# KiCad board fmc_usb_gpio_spi_jtag.kicad_pcb (continued)
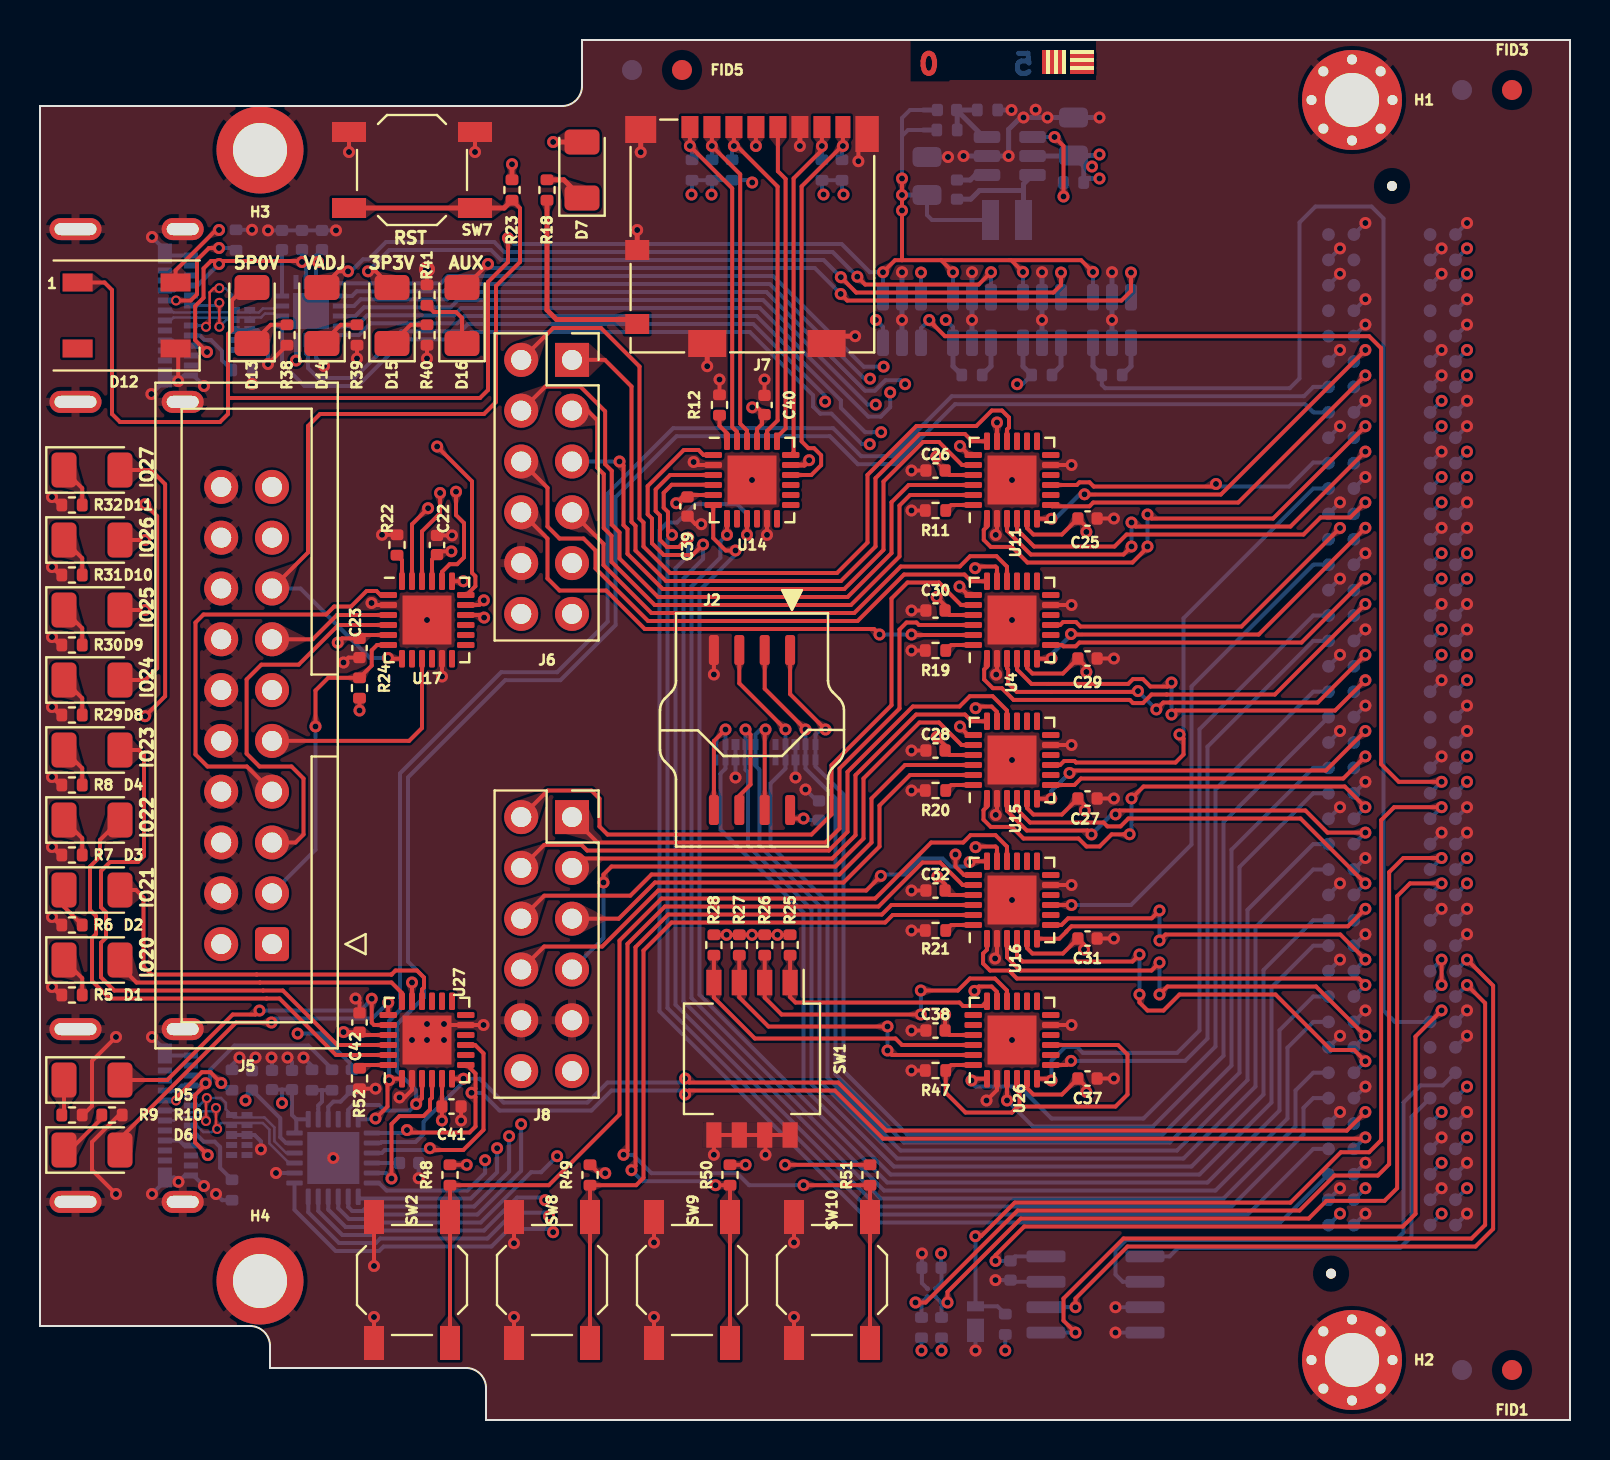
[diagram p0: board, top side]
## Nets
GND: C1.2 C2.2 C3.2 C4.2 C5.2 C6.2 C7.2 C8.2 C9.2 C22.2 C23.2 C24.2 C25.2 C26.2 C27.2 C28.2 C29.2 C30.2 C31.2 C32.2 C35.2 C36.2 C37.2 C38.2 C39.2 C40.2 C41.2 C42.2 D12.3 H1.1 H2.1 H3.1 H4.1 J1.C1 J1.C4 J1.C5 J1.C8 J1.C9 J1.C12 J1.C13 J1.C16 J1.C17 J1.C20 J1.C21 J1.C24 J1.C25 J1.C28 J1.C29 J1.C32 J1.C33 J1.C36 J1.C38 J1.C40 J1.D2 J1.D3 J1.D6 J1.D7 J1.D10 J1.D13 J1.D16 J1.D19 J1.D22 J1.D25 J1.D28 J1.D37 J1.D39 J1.G1 J1.G4 J1.G5 J1.G8 J1.G11 J1.G14 J1.G17 J1.G20 J1.G23 J1.G26 J1.G29 J1.G32 J1.G35 J1.G38 J1.G40 J1.H2 J1.H3 J1.H6 J1.H9 J1.H12 J1.H15 J1.H18 J1.H21 J1.H24 J1.H27 J1.H30 J1.H33 J1.H36 J1.H39 J2.4 J3.A1 J3.A12 J3.B1 J3.B12 J3.S1 J4.A1 J4.A12 J4.B1 J4.B12 J4.S1 J5.4 J5.6 J5.8 J5.10 J5.12 J5.14 J5.16 J5.18 J5.20 J6.9 J6.10 J7.6 J7.9 J7.11 J8.9 J8.10 R1.1 R2.1 R3.1 R4.1 R5.2 R6.2 R7.2 R8.2 R9.2 R10.2 R11.1 R12.1 R19.1 R20.1 R21.1 R22.1 R29.2 R30.2 R31.2 R32.2 R34.1 R37.1 R38.2 R39.2 R40.2 R41.2 R47.1 R52.1 SW1.5 SW1.6 SW1.7 SW1.8 SW2.1 SW7.1 SW8.1 SW9.1 SW10.1 U1.3 U1.4 U1.7 U2.6 U3.2 U3.25 U4.2 U4.11 U4.25 U5.2 U11.2 U11.11 U11.25 U12.3 U12.8 U13.2 U14.2 U14.11 U14.25 U15.2 U15.11 U15.25 U16.2 U16.11 U16.25 U17.2 U17.11 U17.25 U18.3 U18.8 U19.3 U19.8 U20.3 U20.8 U21.2 U21.5 U22.2 U22.5 U23.2 U23.5 U24.2 U24.5 U25.A1 U26.2 U26.11 U26.25 U27.2 U27.11 U27.25
3P3V: C6.1 C8.1 C23.1 C26.1 C28.1 C30.1 C32.1 C38.1 C40.1 C42.1 D7.2 J1.C39 J1.D36 J1.D38 J1.D40 J5.1 J6.11 J6.12 J7.4 J8.11 J8.12 R13.2 R14.2 R15.2 R16.2 R17.2 R23.1 R24.1 R25.2 R26.2 R27.2 R28.2 R44.1 R48.2 R49.2 R50.2 R51.2 U3.6 U3.7 U4.17 U4.21 U11.17 U11.21 U14.17 U14.21 U15.17 U15.21 U16.17 U16.21 U17.5 U23.6 U26.17 U26.21 U27.17 U27.21
3P3VAUX: C1.1 J1.D32 R46.1 U1.8 U24.6
5P0V: C34.2 C35.1 D12.1 D13.2 L1.2 R33.2 U21.1 U22.1 U23.1 U24.1
12P0V: C24.1 J1.C35 J1.C37 R54.1 U13.5
/FMC/GA0: J1.C34 U1.2
/FMC/GA1: J1.D35 U1.1
/FMC/GPIO0: J1.G6 U11.6
/FMC/GPIO1: J1.G7 U11.7
/FMC/GPIO2: J1.G9 U11.1
/FMC/GPIO3: J1.G10 U11.3
/FMC/GPIO4: J1.G12 U11.4
/FMC/GPIO5: J1.G13 U4.6
/FMC/GPIO6: J1.G15 U4.7
/FMC/GPIO7: J1.G16 U4.1
/FMC/GPIO8: J1.G18 U4.3
/FMC/GPIO9: J1.G19 U4.4
/FMC/GPIO10: J1.G21 U15.6
/FMC/GPIO11: J1.G22 U15.7
/FMC/GPIO12: J1.G24 U15.1
/FMC/GPIO13: J1.G25 U15.3
/FMC/GPIO14: J1.G27 U15.4
/FMC/GPIO15: J1.G28 U16.6
/FMC/GPIO16: J1.G30 U16.7
/FMC/GPIO17: J1.G31 U16.1
/FMC/GPIO18: J1.G33 U16.3
/FMC/GPIO19: J1.G34 U16.4
/FMC/GPIO20: J1.G36 U3.14 U27.6
/FMC/GPIO21: J1.G37 U3.13 U27.7
/FMC/GPIO22: J1.H7 U3.12 U27.1
/FMC/GPIO23: J1.H8 U3.11 U27.3
/FMC/GPIO24: J1.H10 U11.9
/FMC/GPIO25: J1.H11 U15.9
/FMC/GPIO26: J1.H13 U4.9
/FMC/GPIO27: J1.H14 U16.9
/FMC/GPIO28: J1.H16 U26.6
/FMC/GPIO29: J1.H17 U26.7
/FMC/GPIO30: J1.H19 U26.1
/FMC/GPIO31: J1.H20 U26.3
/FMC/GX0011: J1.D24 R53.1 U5.1
/FMC/I3C.SCL: J1.D26 R42.2 U25.A2
/FMC/I3C.SDA: J1.D27 R43.2 U25.B2
/FMC/JTAG.TCK: J1.C11 U17.19
/FMC/JTAG.TDI: J1.C10 U17.20
/FMC/JTAG.TDO: J1.C7 U17.22
/FMC/JTAG.TMS: J1.C6 U17.23
/FMC/JTAG.~{SRST}: J1.C3 U17.16
/FMC/JTAG.~{TRST}: J1.C2 U17.18
/FMC/SCL: J1.C30 U1.6
/FMC/SDA: J1.C31 U1.5
/FMC/SDIO.CLK: J1.H38 U14.9
/FMC/SDIO.CMD: J1.H37 U14.4
/FMC/SDIO.DAT0: J1.H31 U14.6
/FMC/SDIO.DAT1: J1.H32 U14.7
/FMC/SDIO.DAT2: J1.H34 U14.1
/FMC/SDIO.DAT3: J1.H35 U14.3
/FMC/SPI_FLASH.CLK: J1.H28 J2.6 U20.2 U20.9
/FMC/SPI_FLASH.DI: J1.H29 J2.5 U20.4 U20.7
/FMC/SPI_FLASH.DO: J1.H23 J2.2 U19.2 U19.9
/FMC/SPI_FLASH.~{CS}: J1.H22 J2.1 U19.1 U19.10
/FMC/SPI_FLASH.~{HOLD}: J1.H26 J2.7 U20.1 U20.10
/FMC/SPI_FLASH.~{WP}: J1.H25 J2.3 U19.4 U19.7
/FMC/UART.RXD: J1.D9 U3.20
/FMC/UART.TXD: J1.D8 U3.21
/FMC/UART.~{CTS}: J1.D12 U3.18
/FMC/UART.~{DCD}: J1.D17 U3.24
/FMC/UART.~{DSR}: J1.D14 U3.22
/FMC/UART.~{DTR}: J1.D15 U3.23
/FMC/UART.~{RI}: J1.D18 U3.1
/FMC/UART.~{RTS}: J1.D11 U3.19
/FMC/USB_FS.CON: J1.C15 U2.5
/FMC/USB_FS.DET: J1.C14 U2.16
/FMC/USB_FS.RCV: J1.C19 U2.2
/FMC/USB_FS.SPD: J1.C26 U2.1
/FMC/USB_FS.SUS: J1.C27 U2.7
/FMC/USB_FS.VM: J1.C23 U2.4
/FMC/USB_FS.VP: J1.C22 U2.3
/FMC/USB_FS.~{OE}: J1.C18 U2.9
/FMC/WS2812: J1.D23 U21.4
/GPIO/HVGPIO0: J6.1 U11.18
/GPIO/HVGPIO1: J6.2 U11.16
/GPIO/HVGPIO2: J6.3 U11.23
/GPIO/HVGPIO3: J6.4 U11.22
/GPIO/HVGPIO4: J6.5 U11.20
/GPIO/HVGPIO5: J6.6 U4.18
/GPIO/HVGPIO6: J6.7 U4.16
/GPIO/HVGPIO7: J6.8 U4.23
/GPIO/HVGPIO8: J8.1 U4.22
/GPIO/HVGPIO9: J8.2 U4.20
/GPIO/HVGPIO10: J8.3 U15.18
/GPIO/HVGPIO11: J8.4 U15.16
/GPIO/HVGPIO12: J8.5 U15.23
/GPIO/HVGPIO13: J8.6 U15.22
/GPIO/HVGPIO14: J8.7 U15.20
/GPIO/HVGPIO15: J8.8 U16.18
/GPIO/HVGPIO16: R48.1 SW2.2 U16.16
/GPIO/HVGPIO17: R49.1 SW8.2 U16.23
/GPIO/HVGPIO18: R50.1 SW9.2 U16.22
/GPIO/HVGPIO19: R51.1 SW10.2 U16.20
/GPIO/HVGPIO24: D8.2 U11.19
/GPIO/HVGPIO25: D9.2 U15.19
/GPIO/HVGPIO26: D10.2 U4.19
/GPIO/HVGPIO27: D11.2 U16.19
/GPIO/HVGPIO28: R25.1 SW1.1 U26.18
/GPIO/HVGPIO29: R26.1 SW1.2 U26.16
/GPIO/HVGPIO30: R27.1 SW1.3 U26.23
/GPIO/HVGPIO31: R28.1 SW1.4 U26.22
/JTAG/TCK: J5.9 U17.9
/JTAG/TDI: J5.5 U17.4
/JTAG/TDO: J5.13 U17.3
/JTAG/TMS: J5.7 U17.1
/JTAG/~{SRST}: J5.15 R23.2 SW7.2 U17.7
/JTAG/~{TRST}: J5.3 R24.2 U17.6
/SDIO/SD_CLK: J7.5 U14.19
/SDIO/SD_CMD: J7.3 R17.1 U14.20
/SDIO/SD_DAT0: J7.7 R13.1 U14.18
/SDIO/SD_DAT1: J7.8 R14.1 U14.16
/SDIO/SD_DAT2: J7.1 R15.1 U14.23
/SDIO/SD_DAT3: J7.2 R16.1 U14.22
/UART/D+: J4.A6 J4.B6 U3.3 U12.4 U12.7
/UART/D-: J4.A7 J4.B7 U3.4 U12.5 U12.6
/UART/HVGPIO20: D1.2 U27.18
/UART/HVGPIO21: D2.2 U27.16
/UART/HVGPIO22: D3.2 U27.23
/UART/HVGPIO23: D4.2 U27.22
/UART/SUSP: U3.17 U27.4
/UART/~{SUSP}: U3.15 U27.9
/USB/D+: J3.A6 J3.B6 U2.11 U18.5 U18.6
/USB/D-: J3.A7 J3.B7 U2.10 U18.4 U18.7
/USB/USB_VBUS: C4.1 J3.A4 J3.A9 J3.B4 J3.B9 U2.14
VADJ: C2.1 C5.1 C7.1 C22.1 C25.1 C27.1 C29.1 C31.1 C36.1 C37.1 C39.1 C41.1 J1.G39 J1.H40 J2.8 R35.2 R42.1 R43.1 R45.1 R53.2 U2.8 U2.15 U3.5 U4.5 U11.5 U14.5 U15.5 U16.5 U17.17 U17.21 U21.6 U22.6 U25.B1 U26.5 U27.5
Net-(D1-K): D1.1 R5.1
Net-(D2-K): D2.1 R6.1
Net-(D3-K): D3.1 R7.1
Net-(D4-K): D4.1 R8.1
Net-(D5-A): D5.2 U27.20
Net-(D5-K): D5.1 R9.1
Net-(D6-A): D6.2 U27.19
Net-(D6-K): D6.1 R10.1
Net-(D7-K): D7.1 R18.2
Net-(D8-K): D8.1 R29.1
Net-(D9-K): D9.1 R30.1
Net-(D10-K): D10.1 R31.1
Net-(D11-K): D11.1 R32.1
Net-(D12-DIN): D12.4 U21.3
Net-(D13-K): D13.1 R38.1
Net-(D14-A): D14.2 U22.3
Net-(D14-K): D14.1 R39.1
Net-(D15-A): D15.2 U23.3
Net-(D15-K): D15.1 R40.1
Net-(D16-A): D16.2 U24.3
Net-(D16-K): D16.1 R41.1
Net-(J1B-d30): J1.D30 J1.D31
Net-(J3-CC1): J3.A5 R1.2
Net-(J3-CC2): J3.B5 R2.2
Net-(J4-CC1): J4.A5 R3.2
Net-(J4-CC2): J4.B5 R4.2
Net-(J4-VBUS-PadA4): J4.A4 J4.A9 J4.B4 J4.B9 R36.2
Net-(J7-DET_A): J7.10 R18.1
Net-(U2-VTRM): C3.1 U2.12
Net-(U3-VBUS): R36.1 R37.2 U3.8
Net-(U3-VPP): C9.1 U3.16
Net-(U3-~{RST}): R35.1 U3.9
Net-(U4-SEL): R19.2 U4.24
Net-(U11-SEL): R11.2 U11.24
Net-(U13-BST): C33.2 U13.1
Net-(U13-EN): R54.2 U13.4
Net-(U13-FB): C34.1 R33.1 R34.2 U13.3
Net-(U13-SW): C33.1 L1.1 U13.6
Net-(U14-SEL): R12.2 U14.24
Net-(U15-SEL): R20.2 U15.24
Net-(U16-SEL): R21.2 U16.24
Net-(U17-SEL): R22.2 U17.24
Net-(U22-B): R45.2 U22.4
Net-(U23-B): R44.2 U23.4
Net-(U24-B): R46.2 U24.4
Net-(U26-CLKA): R47.2 U26.4 U26.9 U26.24
Net-(U27-SEL): R52.2 U27.24

Pads without a net: D12 2; J1 D1 D4 D5 D20 D21 D29 D33 D34 G2 G3 H1 H4 H5; J3 A2 A3 A8 A10 A11 B2 B3 B8 B10 B11; J4 A2 A3 A8 A10 A11 B2 B3 B8 B10 B11; J5 2 11 17 19; U2 13 17; U3 10; U4 8 10 12 13 14 15; U11 8 10 12 13 14 15; U12 1 2 9 10; U14 8 10 12 13 14 15; U15 8 10 12 13 14 15; U16 8 10 12 13 14 15; U17 8 10 12 13 14 15; U18 1 2 9 10; U19 5 6; U20 5 6; U26 8 10 12 13 14 15 19 20; U27 8 10 12 13 14 15

## Via types
v1: diameter 0.6, hole 0.3, Top to Bottom, 454 vias
v2: diameter 0.8, hole 0.4, Top to Bottom, 1 via
v3: diameter 0.5, hole 0.3, Top to Bottom, 10 vias

## Routing (per net, layer and track width the routed paths; a pad name or vN(x,y) marks a point on that pad's centre or on a via; arc(x,y) is an arc through that point)
GND: length 200.9
  Top w0.2: v1(17.97,16.13) 18.23,16.13 18.6,16.5 U27.2 ; v1(47.75,23.07) 47.85,23.17 U16.2 ; v1(15.18,37.87) 15.42,38.12 C23.2 ; C42.2 15.98,20.88 v1(15.78,21.08) ; v1(36.28,13.26) 36.28,14.03 ; J7.11 40.92,63.86 v1(40.92,62.94) ; C29.2 v1(53.7,38.08) ; U26.11 v1(51.58,19.75) ; v1(0.6,25.15) 1,24.75 R6.2 ; v1(32.68,47.9) 32.83,47.75 U14.2 ; v1(3.8,19.15) 2.6,17.95 2.6,15.7 2.15,15.25 R9.2 ; U17.2 16.68,40.75 v1(16.58,40.85) ; R39.2 v1(15.85,53.08) ; D12.3 6.78,53.48 6.91,53.35 v1(6.91,51.95) ; SW1.5 SW1.8 ; R47.1 v1(43.58,17.48) ; R21.1 v1(43.58,24.48) ; C40.2 v1(36.23,52.02) ; v1(47.79,30.25) 47.85,30.32 U15.2 ; C25.2 v1(53.7,45.08) ; R30.2 1,38.75 v1(0.6,39.15) ; v1(22.18,19.75) U27.11 20.1,19.75 v1(19.35,19) ; 3.8,11.3 2.6,12.5 2.6,13.9 3.95,15.25 R10.2 ; U4.11 v1(51.58,40.75) ; R11.1 v1(43.58,45.48) ; v1(33.06,44.79) 32.78,44.79 C39.2 ; v1(23.7,5.15) SW8.1 ; SW9.1 v1(30.7,8.88) ; U17.11 v1(20.1,37.17) ; C38.2 v1(43.58,19.48) ; R31.2 1,42.25 v1(0.6,42.65) ; U15.11 v1(51.58,33.75) ; SW7.1 v1(15.45,63.4) ; 36.35,45.03 36.35,44.37 ; U16.11 v1(51.58,26.75) ; C31.2 v1(53.7,24.08) ; R32.2 1,45.75 v1(0.6,46.15) ; R29.2 1,35.25 v1(0.6,35.65) ; U11.11 v1(51.58,47.75) ; R38.2 11.41,52.8 v1(11.4,52.8) ; R41.2 v2(19.35,57.54) ; C27.2 v1(53.7,31.08) ; SW10.1 v1(37.7,8.88) ; U26.2 47.85,16.5 v1(47.33,15.98) ; C41.2 v1(21.06,14.98) ; SW2.1 v1(16.7,7.7) ; R22.1 v1(17.1,44.26) ; v1(47.79,44.25) 47.85,44.32 U11.2 ; R5.2 1,21.25 v1(0.6,21.65) ; J2.4 v1(33.7,37.28) ; v1(23.7,8.84) SW8.1 ; C28.2 v1(43.58,33.48) ; SW7.1 v1(21.75,63.4) ; v1(30.7,5.15) SW9.1 ; 47.85,37.31 U4.2 ; v1(0.6,28.65) 1,28.25 R7.2 ; R40.2 v1(19.35,53.08) ; R52.1 v1(16.78,16.57) ; R8.2 1,31.75 v1(0.6,32.15) ; C22.2 v1(20.6,44.23) ; C26.2 v1(43.58,47.48) ; R12.1 v1(33.98,52.02) ; v1(33.7,13.26) 33.7,14.03 ; C32.2 v1(43.58,26.48) ; C30.2 v1(43.58,40.48) ; SW10.1 v1(37.7,5.15) ; R20.1 v1(43.58,31.48) ; R19.1 v1(43.58,38.48) ; C37.2 v1(53.7,17.08) ; v1(16.7,5.15) SW2.1
  Top w0.25: J7.11 39.7,54.19 v1(40.76,54.19) ; J7.11 v1(33.36,52.69) ; v1(29.86,59.5) J7.9 ; J7.11 v1(30.04,63.39) ; J7.6 v1(38,63.7)
  Bottom w0.2: 70.78,18.64 v1(71.35,19.21) ; U18.3 U18.8 10.86,54.5 11.4,53.96 v1(11.4,52.8) ; 64.43,33.88 v1(65,34.45) ; 64.43,30.07 v1(65,30.64) ; U2.6 13.8,53.1 v1(14.2,52.7) ; 69.51,47.85 v1(70.08,48.42) ; 70.78,35.15 v1(71.35,35.72) ; v1(11.05,13.53) 11.05,13.93 10.73,14.25 U12.3 ; 70.78,33.88 v1(71.35,34.45) ; 69.51,56.74 v1(70.08,57.31) ; C8.2 11.6,18.1 v1(11.58,18.12) ; 65.7,38.96 v1(66.27,39.53) ; 69.51,44.04 v1(70.08,44.61) ; 65.7,27.53 v1(66.27,28.1) ; R2.1 v1(10.6,59.51) ; v1(9.98,18.12) 9.6,17.75 R4.1 ; v1(5.6,19.15) 6.53,18.23 J4.A12 ; U3.2 v1(11.8,12.35) ; v1(5.57,51.3) 6.25,51.97 J3.B12 6.73,52.13 v1(6.91,51.95) 7.19,52.23 J3.A1 7.68,52.23 v1(8.2,51.7) ; 70.78,23.72 v1(71.35,24.29) ; 69.51,40.23 v1(70.08,40.8) ; 64.43,52.93 v1(65,53.5) ; 70.78,9.75 v1(71.35,10.32) ; 64.43,49.12 v1(65,49.69) ; 70.78,14.83 v1(71.35,15.4) ; v1(13.18,18.12) 13.6,17.7 R37.1 ; v1(53.78,5.64) U1.3 ; U5.2 v1(46.78,3.48) ; 64.43,58.01 v1(65,58.58) ; 70.78,54.2 v1(71.35,54.77) ; 64.43,11.02 v1(65,11.59) ; 65.7,54.2 v1(66.27,54.77) ; C7.2 10.6,17.95 v1(10.78,18.12) ; J3.A12 6.35,58.23 J3.B1 6.25,58.51 v1(5.6,59.15) ; 65.7,23.72 v1(66.27,24.29) ; 70.78,59.28 v1(71.35,59.85) ; 64.43,37.69 v1(65,38.26) ; v1(44.1,8.33) C36.2 44.1,6.85 U25.A1 ; 69.51,13.56 v1(70.08,14.13) ; 69.51,32.61 v1(70.08,33.18) ; 69.51,11.02 v1(70.08,11.59) ; 69.51,52.93 v1(70.08,53.5) ; R1.1 10.61,51.81 v1(10.6,51.8) ; 65.7,31.34 v1(66.27,31.91) ; 70.78,28.8 v1(71.35,29.37) ; 70.78,19.91 v1(71.35,20.48) ; 65.7,50.39 v1(66.27,50.96) ; 65.7,9.75 v1(66.27,10.32) ; 65.7,16.1 v1(66.27,16.67) ; v1(47.78,7) C1.2 48.61,6.91 U1.7 ; 64.43,41.5 v1(65,42.07) ; 70.78,45.31 v1(71.35,45.88) ; 65.7,42.77 v1(66.27,43.34) ; v1(11.4,59.48) v1(14.8,59.48) ; 69.51,28.8 v1(70.08,29.37) ; v1(53.78,4.37) U1.4 ; C5.2 38.85,30.96 v1(38.28,31.53) ; 70.78,30.07 v1(71.35,30.64) ; v1(12.38,18.12) 12.6,17.9 C6.2 ; R3.1 9.11,10.99 v1(8.8,11.3) ; 69.51,58.01 v1(70.08,58.58) ; 65.7,55.47 v1(66.27,56.04) ; 69.51,51.66 v1(70.08,52.23) ; U19.8 v1(37.78,32.13) ; 70.78,12.29 v1(71.35,12.86) ; 70.78,50.39 v1(71.35,50.96) ; v1(5.6,11.3) 6.25,11.94 J4.B12 6.71,12.13 v1(6.92,11.91) 7.24,12.23 J4.A1 7.68,12.23 v1(8.2,11.7) ; 64.43,22.45 v1(65,23.02) ; 65.7,35.15 v1(66.27,35.72) ; 64.43,18.64 v1(65,19.21) ; 65.7,12.29 v1(66.27,12.86) ; 64.43,14.83 v1(65,15.4) ; 70.78,55.47 v1(71.35,56.04) ; 65.7,19.91 v1(66.27,20.48) ; C9.2 v1(18.94,12.09) ; U20.8 34.78,32.03 ; 69.51,24.99 v1(70.08,25.56) ; 64.43,45.31 v1(65,45.88) ; 64.43,56.74 v1(65,57.31) ; 64.43,26.26 v1(65,26.83) ; 70.78,49.12 v1(71.35,49.69) ; 70.78,38.96 v1(71.35,39.53) ; 70.78,44.04 v1(71.35,44.61) ; 70.78,24.99 v1(71.35,25.56) ; 70.78,40.23 v1(71.35,40.8) ; 65.7,46.58 v1(66.27,47.15) ; 69.51,36.42 v1(70.08,36.99) ; 65.7,59.28 v1(66.27,59.85)
  Bottom w0.25: v1(43.1,57.39) U21.2 43.1,55.03 43.06,54.99 43.1,54.95 U21.5 ; v1(53.6,57.39) U24.2 53.6,55.05 53.66,54.99 53.6,54.93 U24.5 ; v1(46.6,57.39) U22.2 46.6,55.05 46.66,54.99 46.6,54.93 U22.5 ; v1(50.1,57.39) U23.2 50.1,55.15 50.26,54.99 50.1,54.83 U23.5 ; v1(52.98,65.13) C24.2 v1(49.18,65.13) 49.03,65.13 48.43,64.53 v1(48.43,63.2) U13.2 v1(46.18,63.2) ; v1(45.4,63.15) C35.2 ; R34.1 v1(48.58,65.5)
  vias: v1(3.8,11.3) v1(14.66,13.1) v1(18.6,19) v1(19.35,40) v1(19.35,19.8) v1(20.2,19.8) v1(20.2,19) v1(34.78,32.13) v1(35.6,47) v1(36.35,44.26) v1(43.1,55) v1(46.6,55) v1(47.81,37.27) v1(48.6,47) v1(48.6,40) v1(48.6,33) v1(48.6,26) v1(48.6,19) v1(49.78,65.51) v1(50.1,55) v1(50.38,65.13) v1(53.6,55)
3P3V: length 404.6
  Top w0.127: v1(44.81,48.16) 44.81,47.92 C26.1
  Top w0.2: U16.17 47.85,28.6 47.78,28.68 46.81,28.68 v1(46.78,28.64) ; v1(44.83,34.15) 45.26,33.72 C28.1 45.48,33.25 U15.21 ; v1(45.26,20.28) C38.1 45.48,19.25 U26.21 ; R28.2 R25.2 ; J7.4 v1(35.8,63.7) ; U16.21 45.48,26.25 C32.1 45.26,26.78 v1(44.86,27.17) ; v1(15.18,19.4) 15.18,19.4 C42.1 16.12,19.25 U27.21 ; v1(44.83,41.15) 45.26,40.72 C30.1 45.48,40.25 U4.21 ; C40.1 35.86,50.63 v1(35.61,50.63) ; U17.5 16.15,39.25 C23.1 15.1,39.08 v1(14.89,38.87) ; v1(28.26,12.34) 27.94,12.34 27.52,12.76 R49.2 ; v1(21.34,12.76) R48.2 ; v1(46.75,42.59) 46.84,42.68 47.78,42.68 47.85,42.6 U4.17 ; U15.17 47.85,35.41 47.58,35.68 46.98,35.68 ; U14.21 35.85,49.55 36.1,49.8 36.1,50.27 ; U11.21 45.48,47.25 C26.1 ; R24.1 v1(15.98,35.48) ; 34.6,12.76 v1(35.28,12.76) ; R51.2 v1(37.26,12.76) ; U26.17 47.85,21.41 47.58,21.67 46.94,21.67 v1(46.72,21.45) ; U11.17 v1(47.85,49.88) ; U27.17 v1(18.6,21.88)
  Top w0.25: U14.17 38.22,47.75 v1(38.46,47.99) ; v1(25.66,63.9) D7.2 ; R23.1 v1(23.6,62.79)
  In4.Cu w0.2: 69.18,12.86 v1(70.08,12.86) v1(71.35,11.59) v1(70.08,10.32) ; 69.18,12.86 69.18,15.4 v1(70.08,15.4) 69.05,15.4 68.46,15.99 68.46,59.08 66.95,60.59 65.86,60.59 64.86,59.59 40.66,59.59 40.18,60.07 v1(40.18,61.27) v1(39.18,61.27) 38.58,61.87 v1(35.61,61.87) ; 69.18,12.86 68.59,12.27 45.86,12.27 ; v1(18.6,21.88) 18,21.28 18,21.14 18.01,21.12 18.01,20.63 18,20.61 18,17.8 ; 36.86,12.66 35.38,12.66 v1(35.28,12.76) 35.28,13.76 34.98,14.07 28.67,14.07 28.26,13.66 v1(28.26,12.34) 28.21,12.39 21.71,12.39 v1(21.34,12.76) ; 36.86,12.66 38.1,12.66 38.49,12.27 45.26,12.27 ; 36.86,12.66 36.88,12.68 36.88,24.26 v1(36.87,24.26) v1(34.33,24.26) ; v1(35.61,61.87) 35.61,63.51 v1(35.8,63.7) ; v1(35.61,61.87) 34.18,61.87 v1(33.58,61.27) v1(32.58,61.27) 25.97,61.27 25.66,61.59 v1(25.66,63.9) 23.97,63.9 23.6,63.53 v1(23.6,62.79) ; v1(14.89,38.87) 15.03,38.87 15.98,37.92 v1(15.98,35.48) 15.98,24.31 15.46,23.8 J5.1 14.85,23.8 15.18,23.47 v1(15.18,19.4) 15.18,16.11 14.92,15.85 v1(12.1,15.85) ; v1(35.61,50.63) 37.82,50.63 38.46,49.99 v1(38.46,47.99) 38.46,41.79 39.1,41.15 v1(44.83,41.15) v1(44.83,34.15) 44.86,34.11 v1(44.86,27.17) 44.86,20.67 v1(45.26,20.28) 45.26,12.28 45.26,12.27 ; 45.86,12.27 45.86,17.19 46.72,18.06 v1(46.72,21.45) 47.08,21.81 47.08,28.34 v1(46.78,28.64) 46.78,35.59 v1(46.78,35.59) 46.78,42.57 v1(46.75,42.59) 46.75,48.78 v1(47.85,49.88) 47.85,50.78 v1(48.86,51.79) ; 45.86,12.27 45.26,12.27 ; 26.6,12.39 J8.11 28.78,19.62 28.78,38.13 J6.11 J6.12 ; 24.78,12.39 24.78,16.73 J8.12 23.71,17.8 15.18,17.8
  Bottom w0.2: U3.6 12.81,14.44 12.81,15.04 ; 69.51,14.83 v1(70.08,15.4) ; C8.1 12.1,16.52 ; 12.1,16.52 12.1,15.85 v1(12.1,15.85) ; 12.1,16.52 C6.1 12.6,15.25 12.81,15.04 ; U3.7 12.81,15.04 ; v1(48.86,51.79) 49.12,51.79 R44.1 ; v1(35.61,61.87) 35.49,61.99 R17.2 R15.2 32.6,61.3 v1(32.58,61.27) ; v1(40.18,61.27) 40.1,61.35 R14.2 R13.2 39.1,61.35 v1(39.18,61.27) ; v1(33.58,61.27) 33.6,61.3 R16.2 ; 70.78,11.02 v1(71.35,11.59) ; 69.51,12.29 v1(70.08,12.86) ; 69.51,9.75 v1(70.08,10.32)
  Bottom w0.25: U23.6 49.15,52.68 R44.1
  vias: v1(35.6,24.26)
3P3VAUX: length 103.5
  Top w0.2: v1(70.08,20.48) 68.78,19.18 68.78,10.31 68.14,9.67 49.21,9.67 47.78,8.24 v1(47.78,7.96)
  Bottom w0.2: 69.51,19.91 v1(70.08,20.48) ; U1.8 48.75,8.18 C1.1 v1(47.78,7.96) ; J1.D32 67.75,19.9 67.18,20.47 67.18,60.07 66.58,60.67 63.78,60.67 62.98,59.87 62.98,52.07 62.49,51.59 53.26,51.59 53.09,51.76 R46.1
  Bottom w0.25: U24.6 52.65,52.69 R46.1
5P0V: length 97.6
  Top w0.2: 9.4,51.1 9.4,54.3 9.6,54.5 9.6,55.99 10.24,56.63 D13.2 ; 9.4,51.1 22,51.1 22.4,51.5 22.4,56.9 23.4,57.9 v1(23.4,59.1) ; 9.4,51.1 9.4,50.3 9,49.9 4,49.9 3.6,50.3 3.6,56.5 3.23,56.88 D12.1 ; v1(45.65,57.39) 45.65,57.4 45.06,57.99 ; 43.1,57.99 v1(43.1,62.08) ; 43.1,57.99 42.75,57.99 v1(42.15,57.39) ; 43.1,57.99 45.06,57.99 ; 45.06,57.99 52.06,57.99 52.65,57.4 v1(52.65,57.4) ; v1(49.15,57.4) 48.56,57.99
  Bottom w0.2: v1(23.4,59.1) 23.7,58.8 40.08,58.8 41.49,57.39 v1(42.15,57.39) U21.1 ; v1(52.65,57.4) U24.1 ; 44.18,64.5 43.4,64.5 43.1,64.2 ; 43.1,64.2 43.1,65.1 43.5,65.5 44.18,65.5 ; 43.1,64.2 v1(43.1,62.08) v1(43.1,60.48) ; L1.2 44.6,60 44.35,60.25 C35.1 ; v1(49.15,57.4) U23.1 ; v1(45.65,57.39) U22.1
  Bottom w0.25: C34.2 44.18,65.5 ; C35.1 v1(43.1,61.25) ; R33.2 44.18,64.5
12P0V: length 83.8
  In4.Cu w0.5: v1(71.35,14.13) 72.2,14.13 73.86,15.79 73.86,61.39 72.4,62.85 67.12,62.85 66.66,62.39 64.46,62.39 64.17,62.68 v1(52.6,62.68) ; v1(71.35,16.67) 72.34,16.67 73.86,18.19 ; v1(52.98,63.28) v1(52.98,62.08)
  Bottom w0.2: 70.78,16.1 v1(71.35,16.67) ; 70.78,13.56 v1(71.35,14.13)
  Bottom w0.25: v1(52.6,62.68) 52.23,62.68 C24.1 ; v1(52.98,62.08) 52.39,62.08 R54.1 52.19,62.72 C24.1 ; C24.1 52.93,63.23 ; C24.1 51.65,63.2 U13.5
/FMC/GA0: length 27.3
  Bottom w0.2: U1.2 54.14,6.91 53.78,7.28 53.78,8.48 54.3,9 67.8,9 68.18,9.38 68.18,15.88 69.03,16.73 70.14,16.73 J1.C34
/FMC/GA1: length 21
  Bottom w0.2: J1.D35 68.58,15.16 68.58,9.18 68,8.6 56.9,8.6 56.48,8.18 U1.1
/FMC/GPIO0: length 20.7
  Top w0.2: v1(52.23,46.28) 52.23,46.28 59.05,46.28 v1(66.27,53.5) ; U11.6 v1(50.58,45.06)
  Bottom w0.2: v1(50.58,45.06) 50.76,45.06 51.98,46.28 v1(52.23,46.28) ; 65.7,52.93 v1(66.27,53.5)
/FMC/GPIO1: length 19.3
  Top w0.2: v1(66.27,52.23) 59.92,45.88 52.66,45.88 52.47,45.69 50.6,45.69 U11.7
  Bottom w0.2: 65.7,51.66 v1(66.27,52.23)
/FMC/GPIO2: length 25.4
  Top w0.2: 55.38,43.63 54.62,42.87 49.37,42.87 48.59,43.65 47.54,43.65 47.19,44.01 47.19,44.5 47.35,44.67 U11.1 ; v1(55.38,45.28) 55.58,45.08 61.66,45.08 v1(66.27,49.69)
  Bottom w0.2: v1(55.38,45.28) v1(55.38,43.68) ; 65.7,49.12 v1(66.27,49.69)
/FMC/GPIO3: length 22.8
  Top w0.2: v1(54.58,43.68) 54.17,43.27 49.54,43.27 48.35,44.46 U11.3 ; v1(54.58,44.88) 54.78,44.68 62.53,44.68 v1(66.27,48.42)
  Bottom w0.2: 65.7,47.85 v1(66.27,48.42) ; v1(54.58,44.88) v1(54.58,43.68)
/FMC/GPIO4: length 20
  Top w0.2: U11.4 48.85,44.53 49.71,43.67 53.73,43.67 54.33,44.28 63.18,44.28 64.03,45.13 65.52,45.13 v1(66.27,45.88)
  Bottom w0.2: 65.7,45.31 v1(66.27,45.88)
/FMC/GPIO5: length 20.1
  Top w0.2: 51.58,39.28 60.94,39.28 v1(66.27,44.61) ; U4.6 50.56,38.06 v1(50.58,38.08)
  Bottom w0.2: 65.7,44.04 v1(66.27,44.61) ; 51.58,39.28 50.58,38.28 v1(50.58,38.08)
  vias: v1(51.55,39.3)
/FMC/GPIO6: length 18
  Top w0.2: v1(66.27,42.07) 63.08,38.88 51.97,38.88 51.78,38.69 51.17,38.69 51.1,38.75 U4.7
  Bottom w0.2: 65.7,41.5 v1(66.27,42.07)
/FMC/GPIO7: length 23.5
  Top w0.2: v1(66.27,40.8) 61.74,36.27 56.33,36.27 56.33,36.28 55.58,36.28 55.15,35.85 54.65,35.85 54.49,36 48.68,36 48.09,36.59 47.64,36.59 47.21,37.02 47.21,37.52 47.35,37.66 U4.1
  Bottom w0.2: 65.7,40.23 v1(66.27,40.8)
/FMC/GPIO8: length 21.6
  Top w0.2: v1(66.27,38.26) 63.89,35.88 56.49,35.88 56.49,35.87 56.16,35.87 v1(55.82,35.53) ; U4.3 48.35,37.58 48.41,37.52 48.41,36.84 48.85,36.4 50.57,36.4 54.86,36.4 v1(54.9,36.45)
  Bottom w0.2: v1(54.9,36.45) 55.82,35.53 v1(55.82,35.53) ; 65.7,37.69 v1(66.27,38.26)
/FMC/GPIO9: length 21.7
  Top w0.2: v1(66.27,36.99) 64.76,35.48 56.78,35.48 v1(56.58,35.27) ; v1(56.58,36.87) 56.38,36.68 55.52,36.68 55.15,37.05 54.65,37.05 54.41,36.8 50.41,36.8 49.58,36.8 48.85,37.53 U4.4
  Bottom w0.2: v1(56.58,36.87) 56.58,35.27 v1(56.58,35.27) ; 65.7,36.42 v1(66.27,36.99)
/FMC/GPIO10: length 18.9
  Top w0.2: v1(51.47,32.35) 51.6,32.48 64.3,32.48 v1(66.27,34.45) ; U15.6 v1(50.56,31.06)
  Bottom w0.2: v1(51.47,32.35) 50.56,31.44 v1(50.56,31.06) ; 65.7,33.88 v1(66.27,34.45)
/FMC/GPIO11: length 17.1
  Top w0.2: U15.7 51.72,31.75 52.05,32.08 65.17,32.08 v1(66.27,33.18)
  Bottom w0.2: 65.7,32.61 v1(66.27,33.18)
/FMC/GPIO12: length 24.2
  Top w0.2: U15.1 47.35,30.67 47.18,30.49 47.18,30.02 47.54,29.65 48.59,29.65 49.17,29.08 51.93,29.08 52.33,28.68 52.98,28.68 53.58,29.28 54.19,29.28 54.2,29.29 v1(54.48,29.29) ; v1(54.58,31.08) 55.18,31.68 65.24,31.68 v1(66.27,30.64)
  Bottom w0.2: v1(54.48,29.29) 54.58,29.38 v1(54.58,31.08) ; 65.7,30.07 v1(66.27,30.64)
/FMC/GPIO13: length 20.8
  Top w0.2: v1(66.27,29.37) 64.38,29.37 63.27,30.48 53.97,30.48 v1(53.78,30.28) ; U15.3 48.35,30.46 49.34,29.48 52.38,29.48 v1(52.58,29.28)
  Bottom w0.2: 65.7,28.8 v1(66.27,29.37) ; v1(52.58,29.28) 53.58,30.28 v1(53.78,30.28)
/FMC/GPIO14: length 20.6
  Top w0.2: U15.4 48.85,30.53 49.5,29.88 53.18,29.88 53.37,29.68 54.03,29.68 54.42,30.08 63.03,30.08 v1(66.27,26.83)
  Bottom w0.2: 65.7,26.26 v1(66.27,26.83)
/FMC/GPIO15: length 17.9
  Top w0.2: U16.6 50.96,24.06 51.32,24.42 51.32,24.43 51.57,24.69 65.4,24.69 v1(66.27,25.56)
  Bottom w0.2: 65.7,24.99 v1(66.27,25.56)
/FMC/GPIO16: length 19
  Top w0.2: v1(55.98,23.98) 56.28,24.28 65.02,24.28 v1(66.27,23.02) ; v1(55.98,25.48) 55.59,25.09 51.41,25.09 51.07,24.75 U16.7
  Bottom w0.2: 65.7,22.45 v1(66.27,23.02) ; v1(55.98,25.48) v1(55.98,23.98)
/FMC/GPIO17: length 21.7
  Top w0.2: U16.1 47.35,23.52 47.15,23.32 47.15,22.83 47.51,22.47 48.44,22.47 48.84,22.08 65.95,22.08 v1(66.27,21.75)
  Bottom w0.2: 65.7,21.18 v1(66.27,21.75)
/FMC/GPIO18: length 22.9
  Top w0.2: v1(66.27,19.21) 63.81,21.68 56.38,21.68 v1(55.98,21.28) ; v1(55.98,22.88) 55.58,22.48 49.01,22.48 48.35,23.13 U16.3
  Bottom w0.2: v1(55.98,22.88) v1(55.98,21.28) ; 65.7,18.64 v1(66.27,19.21)
/FMC/GPIO19: length 23.6
  Top w0.2: v1(54.98,23.28) 54.63,22.93 49.13,22.93 48.85,23.2 U16.4 ; v1(66.27,17.94) 65.71,18.5 64.55,18.5 61.78,21.28 56.98,21.28 56.18,20.48 55.38,20.48 54.98,20.88 v1(54.98,21.28)
  Bottom w0.2: v1(54.98,23.28) v1(54.98,21.28) ; 65.7,17.37 v1(66.27,17.94)
/FMC/GPIO20: length 55.3
  Top w0.2: v1(66.27,15.4) 65.34,14.47 42.31,14.47 39.91,16.87 32.46,16.87 v1(32.26,17.07) ; U27.6 21.16,17.06
  Bottom w0.2: v1(32.26,17.07) 32.06,16.87 28.38,16.87 27.38,15.87 23.18,15.87 21.99,17.06 v1(21.18,17.06) ; 21.18,17.08 21.18,16.9 19.18,14.9 19.18,14.29 18.78,13.9 17.07,13.9 17.03,13.85 U3.14 ; 65.7,14.83 v1(66.27,15.4)
/FMC/GPIO21: length 56.4
  Top w0.2: v1(66.27,14.13) 66.21,14.07 42.15,14.07 39.74,16.47 32.46,16.47 v1(32.26,16.27) ; U27.7 21.35,17.75 21.78,17.32 21.78,16.56 v1(21.58,16.36) 21.78,16.16 21.78,14.68 21.48,14.38 18.47,14.38 v1(18.35,14.5)
  Bottom w0.2: U3.13 18.2,14.35 v1(18.35,14.5) ; 65.7,13.56 v1(66.27,14.13) ; v1(32.26,16.27) 32.06,16.47 28.58,16.47 27.58,15.47 22.98,15.47 22.09,16.36 v1(21.58,16.36)
/FMC/GPIO22: length 78.6
  Top w0.2: U27.1 17.56,17.06 17.37,16.87 17.37,15.67 v1(16.78,15.08)
  Bottom w0.2: U3.12 16.74,15.04 ; 64.43,51.66 63.66,51.66 63.2,51.19 45.59,51.19 42.59,48.19 41.06,48.19 39.66,49.59 31.66,49.59 28.38,46.31 28.38,39.91 25.86,37.39 23.06,37.39 18,32.33 18,21.14 18.01,21.12 18.01,20.51 17.46,19.96 v1(17.46,16.99)
/FMC/GPIO23: length 82.1
  Top w0.2: v1(18.81,15.8) 19.1,16.09 U27.3
  Bottom w0.2: U3.11 15.41,15.51 15.65,15.75 16.95,15.75 17.22,15.47 18.48,15.47 v1(18.81,15.8) 18.81,16.49 17.86,17.44 17.86,19.79 19.2,21.13 19.2,22.12 18.4,22.92 18.4,32.13 23.26,36.99 26.02,36.99 28.78,39.75 28.78,46.15 31.82,49.19 39.49,49.19 40.89,47.79 42.75,47.79 45.75,50.79 63.26,50.79 63.66,50.39 64.43,50.39
/FMC/GPIO24: length 14.6
  Top w0.2: U11.9 51.84,46.75 51.98,46.88 52.47,46.88 52.68,46.67 58.67,46.67 v1(58.8,46.8)
  Bottom w0.2: 64.43,47.88 63.66,47.88 62.46,46.67 58.93,46.67 v1(58.8,46.8)
/FMC/GPIO25: length 23.8
  Top w0.2: U15.9 51.01,32.75 51.21,32.95 51.72,32.95 51.8,32.88 56.78,32.88 57.18,33.28 57.18,34.08 v1(56.98,34.28)
  Bottom w0.2: 64.43,46.58 63.66,46.58 57.18,40.09 57.18,34.48 v1(56.98,34.28)
/FMC/GPIO26: length 17.5
  Top w0.2: U4.9 51.01,39.75 51.16,39.9 51.8,39.9 52.02,39.68 60.08,39.68 v1(65,44.6)
  Bottom w0.2: 64.43,44.03 v1(65,44.6)
/FMC/GPIO27: length 25.6
  Top w0.2: U16.9 v1(51.58,25.75)
  Bottom w0.2: 64.43,42.77 63.66,42.77 57.58,36.68 57.58,28.78 54.55,25.75 v1(51.58,25.75)
/FMC/GPIO28: length 33.9
  Top w0.2: v1(50.58,16.98) 50.49,17.06 U26.6
  Bottom w0.2: v1(50.58,16.98) 50.58,17.97 51.26,18.66 51.84,18.66 52.14,18.36 56.86,18.36 57.98,19.48 57.98,34.54 63.66,40.23 64.43,40.23
/FMC/GPIO29: length 31.2
  Top w0.2: v1(51.55,17.96) 51.35,17.75 U26.7
  Bottom w0.2: 64.43,38.96 63.66,38.96 58.38,33.67 58.38,19.08 57.26,17.96 v1(51.55,17.96)
/FMC/GPIO30: length 35.8
  Top w0.2: U26.1 46.66,17.06 v1(46.58,16.98)
  Bottom w0.2: 64.43,36.42 63.66,36.42 58.78,31.53 58.78,18.68 55.18,15.08 50.58,15.08 48.98,16.68 46.78,16.68 46.58,16.88
/FMC/GPIO31: length 33
  Top w0.2: U26.3 v1(48.35,15.98)
  Bottom w0.2: v1(48.35,15.98) 49.65,14.68 55.64,14.68 59.18,18.21 59.18,29.9 64.43,35.15
/FMC/GX0011: length 47.5
  Top w0.2: v1(46.77,9.19) 47.06,9.19 48.74,10.87 62.52,10.87 65.04,13.39 66.45,13.39 67.06,13.99 67.06,29.99 67.71,30.64 v1(70.08,30.64)
  Bottom w0.2: R53.1 47.87,5.68 U5.1 46.78,9.18 ; 69.51,30.07 v1(70.08,30.64)
/FMC/I3C.SCL: length 46.3
  Top w0.2: v1(43.78,5.88) 44.28,5.88 48.88,10.47 62.98,10.47 64.73,12.23 66.89,12.23 67.46,12.79 67.46,27.39 68.17,28.1 v1(70.08,28.1)
  Bottom w0.2: 44.08,5.87 U25.A2 ; 44.08,5.87 43.78,5.87 v1(43.78,5.88) ; 44.08,5.87 R42.2 ; 69.51,27.53 v1(70.08,28.1)
/FMC/I3C.SDA: length 44.5
  Top w0.2: v1(70.08,26.83) 68.5,26.83 67.86,26.19 67.86,11.59 67.22,10.96 64.32,10.96 63.44,10.07 49.05,10.07 45.38,6.4 v1(45.38,5.88)
  Bottom w0.2: U25.B2 45.08,5.87 ; 45.08,5.87 45.08,5.88 v1(45.38,5.88) ; 45.08,5.87 R43.2 ; 69.51,26.26 v1(70.08,26.83)
/FMC/JTAG.TCK: length 69
  Top w0.2: v1(21.17,41.94) U17.19
  In2.Cu w0.2: v1(71.35,47.15) 70.71,47.79 69.06,47.79 68.66,48.19 68.66,51.19 66.97,52.87 62.97,52.87 62.26,53.59 42.26,53.59 41.46,52.79 40.12,52.79 39.21,53.7 37.72,53.7 36.83,54.59 22.46,54.59 22.06,54.19 22.06,47.56 21.4,46.9 21.4,42.37 21.17,42.14 v1(21.17,41.94)
  Bottom w0.2: 70.78,46.58 v1(71.35,47.15)
/FMC/JTAG.TDI: length 69.4
  Top w0.2: U17.20 20.1,42.41 20.48,42.79 20.86,42.79 21.2,43.13 21.2,44.85 20.8,45.25 v1(20.8,46.41)
  In2.Cu w0.2: v1(20.8,46.41) 20.8,46.87 21.66,47.72 21.66,54.36 22.29,54.99 36.99,54.99 37.88,54.1 39.38,54.1 40.29,53.19 41.26,53.19 42.06,53.99 62.26,53.99 62.4,54.13 67.11,54.13 69.06,52.19 69.06,49.59 69.6,49.05 70.72,49.05 v1(71.35,48.42)
  Bottom w0.2: 70.78,47.85 v1(71.35,48.42)
/FMC/JTAG.TDO: length 67.6
  Top w0.2: U17.22 19.1,44.43 20,45.34 v1(20,46.35)
  In2.Cu w0.2: v1(20,46.35) 20,46.63 21.26,47.89 21.26,54.52 22.12,55.39 37.16,55.39 38.05,54.5 39.54,54.5 40.46,53.59 41.06,53.59 41.87,54.4 62.07,54.4 63.06,55.39 67.06,55.39 69.59,52.85 70.79,52.85 71.35,52.3 v1(71.35,52.23)
  Bottom w0.2: 70.78,51.66 v1(71.35,52.23)
/FMC/JTAG.TMS: length 67.8
  Top w0.2: v1(19.4,45.59) 18.6,44.79 U17.23
  In2.Cu w0.2: v1(19.4,45.59) 19.4,46.6 20.86,48.05 20.86,54.69 21.96,55.79 37.32,55.79 38.21,54.9 40.7,54.9 41.59,55.79 62.06,55.79 62.92,56.65 67.1,56.65 69.56,54.19 70.66,54.19 v1(71.35,53.5)
  Bottom w0.2: 70.78,52.93 v1(71.35,53.5)
/FMC/JTAG.~{SRST}: length 72.2
  Top w0.2: U17.16 22.08,40.25 v1(22.21,40.12)
  In2.Cu w0.2: v1(22.21,40.12) 21.53,40.12 18.8,42.84 18.8,46.57 20.46,48.22 20.46,54.85 21.79,56.19 37.49,56.19 38.38,55.3 40.53,55.3 41.42,56.19 61.86,56.19 63.6,57.94 70.72,57.94 v1(71.35,57.31)
  Bottom w0.2: 70.78,56.74 v1(71.35,57.31)
/FMC/JTAG.~{TRST}: length 69.7
  Top w0.2: v1(19.86,48.67) 21.6,46.93 21.6,42.35 21.77,42.19 21.77,41.69 21.33,41.25 U17.18
  In2.Cu w0.2: v1(71.35,58.58) 70.72,59.21 64.33,59.21 61.71,56.59 41.26,56.59 40.37,55.7 38.54,55.7 37.66,56.59 21.63,56.59 20.06,55.02 20.06,48.87 v1(19.86,48.67)
  Bottom w0.2: 70.78,58.01 v1(71.35,58.58)
/FMC/SCL: length 39
  Top w0.2: 51.78,5.68 51.78,6.08 54.38,8.68 71.78,8.68 72.66,9.56 72.66,21.71 v1(71.35,23.02)
  Bottom w0.2: U1.6 v1(51.78,5.64) ; 70.78,22.45 v1(71.35,23.02)
/FMC/SDA: length 39.2
  Top w0.2: v1(51.78,4.37) 51.18,4.97 51.18,6.08 54.18,9.08 71.58,9.08 72.26,9.76 72.26,20.84 v1(71.35,21.75)
  Bottom w0.2: U1.5 v1(51.78,4.37) ; 70.78,21.18 v1(71.35,21.75)
/FMC/SDIO.CLK: length 69.9
  Top w0.2: U14.9 35.35,44.32 35.29,44.26
  Bottom w0.2: v1(35.35,44.26) 35.35,45.3 34.85,45.8 32.77,45.8 31.85,44.88 31.38,44.88 30.98,44.48 30.98,20.44 41.54,9.88 62.02,9.88 64.43,12.29
/FMC/SDIO.CMD: length 67.4
  Top w0.2: U14.4 33.65,46.76 31.58,46.76 31.18,46.36 31.18,45.62 31.4,45.4 31.4,44.45 v1(31.6,44.25)
  Bottom w0.2: 64.43,13.56 63.66,13.56 60.38,10.28 41.7,10.28 31.38,20.6 31.38,44.03 v1(31.6,44.25)
/FMC/SDIO.DAT0: length 67.5
  Top w0.2: v1(34.78,43.48) 34.28,43.48 33.66,44.1 U14.6
  Bottom w0.2: v1(34.78,43.48) 34.78,43.28 32.98,41.48 32.98,21.26 42.36,11.88 58.38,11.88 61.98,15.48 61.98,19.49 63.66,21.18 64.43,21.18
/FMC/SDIO.DAT1: length 66.1
  Top w0.2: U14.7 v1(34.35,44.26)
  Bottom w0.2: v1(34.35,44.26) 34.02,43.92 34.02,43.12 32.58,41.68 32.58,21.1 42.2,11.48 58.78,11.48 62.38,15.08 62.38,18.62 63.66,19.91 64.43,19.91
/FMC/SDIO.DAT2: length 73.3
  Top w0.2: v1(33.16,43.78) 32.63,43.25 31.18,43.25 30.6,43.84 30.6,45.07 30.38,45.28 30.38,46.69 32.19,48.5 32.93,48.5 33.18,48.25 U14.1
  Bottom w0.2: v1(33.16,43.78) 33.16,43.06 32.18,42.08 32.18,20.93 42.03,11.08 59.18,11.08 62.78,14.68 62.78,16.48 63.66,17.37 64.43,17.37
/FMC/SDIO.DAT3: length 71
  Top w0.2: U14.3 31.51,47.25 30.78,46.53 30.78,45.45 31,45.23 31,44 31.35,43.65 31.95,43.65 v1(32.41,44.11)
  Bottom w0.2: J1.H35 63.66,16.09 63.18,15.61 63.18,14.28 59.58,10.68 41.87,10.68 31.78,20.77 31.78,42.58 32.41,43.22 v1(32.41,44.11)
/FMC/SPI_FLASH.CLK: length 59.8
  Top w0.2: J2.6 34.97,31.22 35.53,31.78 35.53,34.28 v1(35.28,34.53)
  Bottom w0.2: 64.43,24.99 63.66,24.99 61.18,22.5 61.18,16.28 57.58,12.68 42.69,12.68 38.58,16.79 38.58,25.54 35.4,28.71 35.4,32.38 35.28,32.51 U20.2 U20.9 v1(35.28,34.53)
/FMC/SPI_FLASH.DI: length 60.1
  Top w0.2: v1(34.28,34.53) 33.7,33.95 J2.5
  Bottom w0.2: v1(34.28,34.53) U20.7 U20.4 34.28,32.57 34.03,32.32 34.03,29.53 38.18,25.38 38.18,16.63 42.53,12.28 57.98,12.28 61.58,15.88 61.58,21.63 63.66,23.72 64.43,23.72
/FMC/SPI_FLASH.DO: length 62
  Top w0.2: J2.2 36.24,36.57 v1(38.28,34.53)
  Bottom w0.2: v1(38.28,34.53) U19.9 U19.2 38.28,32.58 39.78,31.08 39.78,17.29 43.19,13.88 56.49,13.88 59.98,17.36 59.98,27.65 63.66,31.34 64.43,31.34
